# Altium PCB MiniPC.PcbDoc (part 11 of 22)
Units mm, origin at the board's own origin, x right, y up, seen from the top; angles counter-clockwise.
Board outline 175 x 155 mm, 16 copper layers (1_Top, 2_int1_(gnd), 3_int2_(power), 4_int3_(gnd), 5_int4_(sign), 6_int5_(power), 7_int6_(sign), 8_int7_(power), 9_int8_(gnd), 10_int9_(sign), 11_int10_(gnd), 12_int11_(sign), 13_int12_(gnd), 14_int13_(power), 15_int14_(gnd), 16_Bottom), stack 2.008 mm thick; 1046 components, 837 nets, 6010 pads, 3950 vias.
Unrouted connection lines stored in the file: 585.
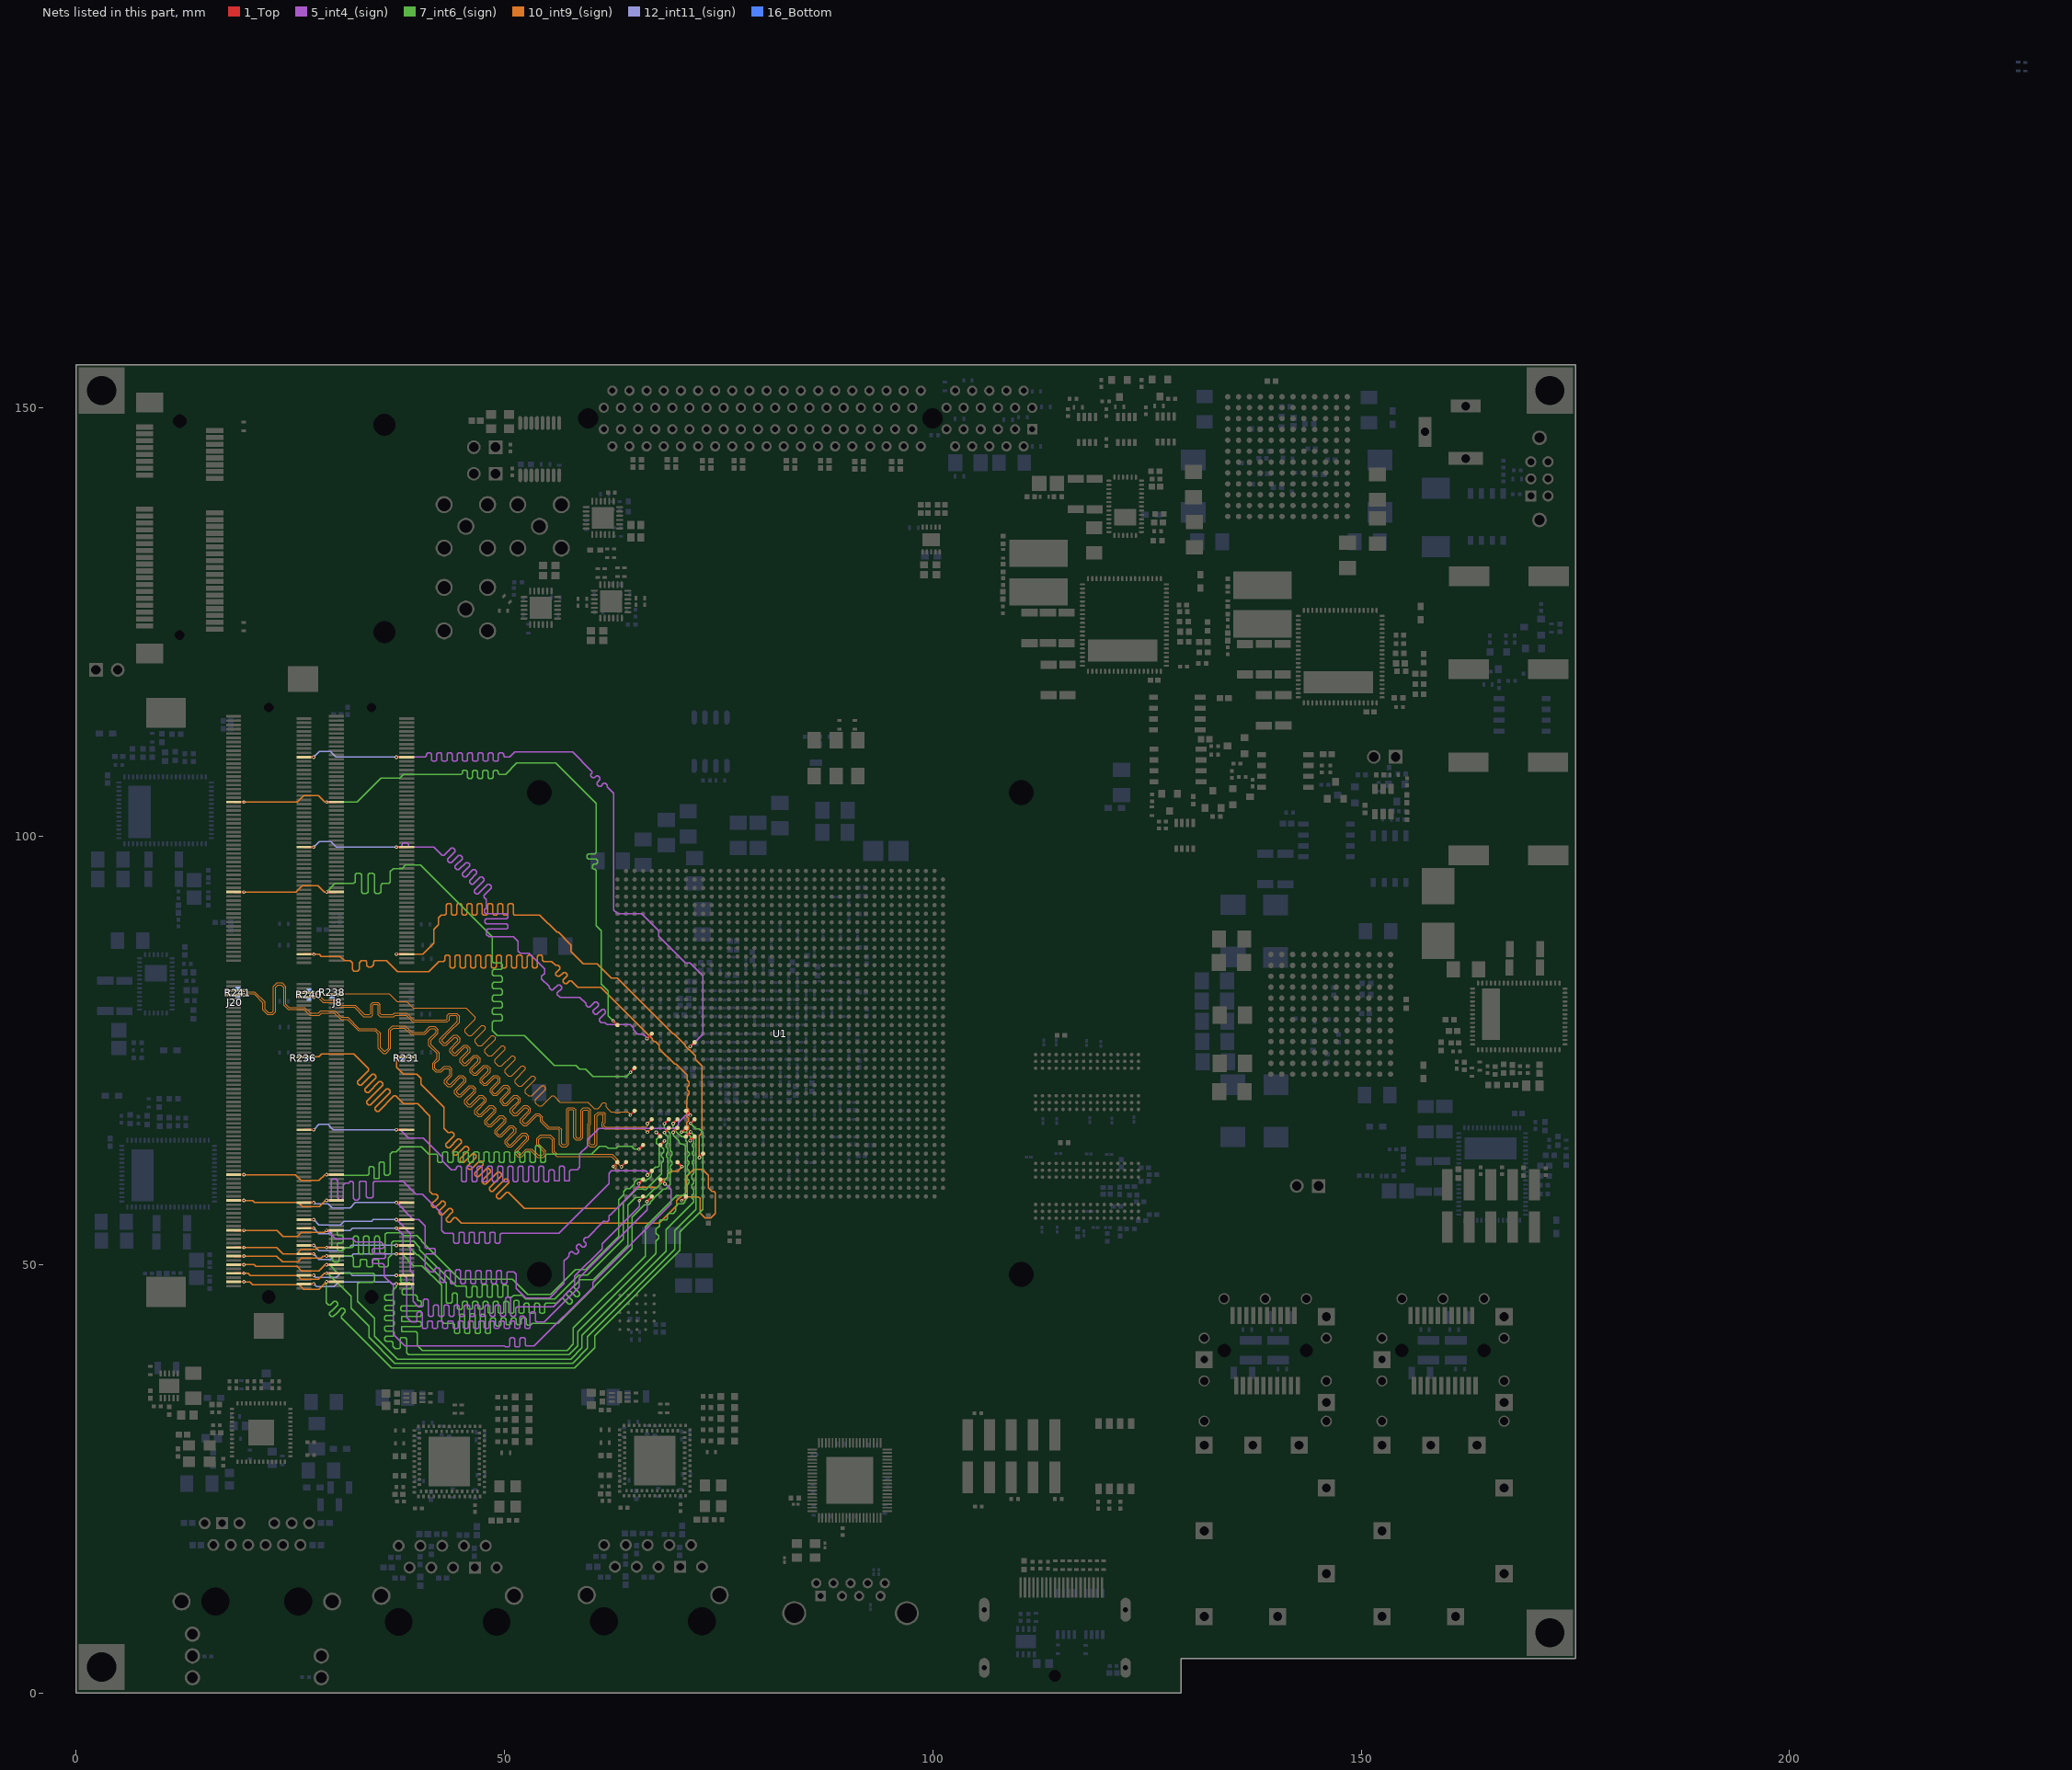
[diagram p25: the nets of this part, all layers, seen from the top]

## Via types
v1: diameter 0.4, hole 0.2, 1_Top to 16_Bottom, tented both sides, 1651 vias
v2: diameter 0.5, hole 0.2, 1_Top to 16_Bottom, tented both sides, 983 vias
v3: diameter 0.7, hole 0.3, 1_Top to 16_Bottom, tented both sides, 915 vias
v4: diameter 0.6, hole 0.2, 1_Top to 16_Bottom, tented both sides, 278 vias
v5: diameter 0.4, hole 0.2, 1_Top to 16_Bottom, 78 vias
v6: diameter 0.4/0/0/0/0/0/0/0/0/0/0/0/0/0/0/0.4 (per signal layer), hole 0.2, 1_Top to 16_Bottom, tented both sides, 18 vias
v7: diameter 0.5, hole 0.254, 1_Top to 16_Bottom, tented both sides, 15 vias
v8: diameter 0.4/0/0/0/0/0/0/0/0/0/0/0.4/0.4/0.4/0.4/0.4 (per signal layer), hole 0.2, 1_Top to 16_Bottom, tented both sides, 10 vias
v9: diameter 0.5, hole 0.2, 1_Top to 16_Bottom, 2 vias

## Nets (pads, with @x,y where several pads share a name; then routed paths per layer and width w, separated by ;. In a path a pad name is that pad's centre, name@x,y a point inside that pad or via, vN(x,y) a via of type N, cw(c..) or ccw(c..) an arc to the next point about the centre after c; other vN are vias at no path point) (continued)
DDR4_SODIMM_CK1_P: J8.138 R238.1 U1.AJ3 | length 74.5
  1_Top w0.15: v1(29.25,81.475) J8.138@30.4,81.475 ; v1(64.694,67.439) U1.AJ3@65.194,67.939
  10_int9_(sign) w0.13: v1(29.25,81.475) 29.393,81.618 36.558,81.618 37.49,80.685 38.575,80.685 39.335,79.925 45.5,79.925 46.586,78.839 46.586,78.645 45.402,77.461 45.402,77.068 45.765,76.704 46.158,76.704 47.343,77.888 47.537,77.888 47.76,77.665 47.76,77.471 46.575,76.287 46.575,75.894 46.939,75.53 47.332,75.53 48.516,76.715 48.71,76.715 48.934,76.491 48.934,76.297 47.749,75.113 47.749,74.72 48.113,74.356 48.506,74.356 49.69,75.541 49.884,75.541 50.107,75.318 50.107,75.124 48.923,73.939 48.923,73.546 49.287,73.183 49.68,73.183 50.864,74.367 51.058,74.367 51.281,74.144 51.281,73.95 50.097,72.765 50.097,72.373 50.461,72.009 50.853,72.009 52.038,73.193 52.232,73.193 52.455,72.97 52.455,72.776 51.271,71.592 51.271,71.199 51.634,70.835 52.027,70.835 53.212,72.019 53.406,72.019 53.629,71.796 53.629,71.602 52.444,70.418 52.444,70.025 52.808,69.661 53.201,69.661 54.385,70.846 54.579,70.846 54.803,70.622 54.803,70.428 53.618,69.244 53.618,68.851 53.982,68.487 54.375,68.487 55.559,69.672 55.753,69.672 56.475,68.95 56.502,68.923 56.647,68.923 56.674,68.95 59.761,68.95 60.501,68.209 60.934,68.209 61.275,68.551 61.275,68.661 61.499,68.885 61.751,68.885 61.885,68.751 61.885,68.391 62.075,68.201 62.451,67.825 62.85,67.825 62.975,67.7 63.425,67.7 63.545,67.82 63.926,67.82 63.931,67.825 64.4,67.825 64.694,67.531 v1(64.694,67.439)
  16_Bottom w0.15: v1(29.25,81.475) 29.751,81.475 R238.1@29.901,81.325
DDR4_SODIMM_CK2_N: J20.139 R240.2 U1.AK5 | length 103.1
  1_Top w0.15: J20.139@26.6,81.725 v1(27.75,81.725) ; v1(66.7,66.445) U1.AK5@67.194,66.939
  10_int9_(sign) w0.13: v1(27.75,81.725) 27.891,81.584 28.174,81.584 28.919,80.84 30.324,80.84 30.899,80.265 32.574,80.265 33.657,79.182 34.265,79.182 34.277,79.182 34.394,79.299 34.394,80.368 34.625,80.599 35.25,80.599 35.512,80.337 35.512,79.299 35.629,79.182 35.636,79.182 37,79.182 37.147,79.33 38.62,79.33 39.4,78.55 43.225,78.55 43.325,78.65 43.325,79.1 43.525,79.3 44.424,79.3 44.765,78.959 44.765,78.299 43.649,77.183 42.722,76.256 42.722,76.062 42.945,75.839 43.139,75.839 44.066,76.766 44.459,76.766 44.823,76.402 44.823,76.009 43.896,75.082 43.896,74.888 44.119,74.665 44.313,74.665 45.24,75.592 45.633,75.592 45.997,75.228 45.997,74.835 45.07,73.908 45.07,73.714 45.293,73.491 45.487,73.491 46.414,74.418 46.807,74.418 47.17,74.055 47.17,73.662 46.243,72.735 46.243,72.541 46.467,72.317 46.661,72.317 47.588,73.244 47.981,73.244 48.344,72.881 48.344,72.488 47.417,71.561 47.417,71.367 47.64,71.144 47.834,71.144 48.761,72.071 49.154,72.071 49.518,71.707 49.518,71.314 48.591,70.387 48.591,70.193 48.814,69.97 49.008,69.97 49.935,70.897 50.328,70.897 50.692,70.533 50.692,70.14 49.765,69.213 49.765,69.019 49.988,68.796 50.182,68.796 51.109,69.723 51.502,69.723 51.866,69.359 51.866,68.966 50.939,68.039 50.939,67.845 51.162,67.622 51.356,67.622 52.283,68.549 52.676,68.549 53.039,68.186 53.039,67.793 52.112,66.866 52.112,66.672 52.335,66.448 52.53,66.448 53.689,67.608 54.082,67.608 54.445,67.244 54.445,66.78 55.163,66.062 56.385,66.062 56.663,65.785 56.663,64.122 56.8,63.985 57.116,63.985 57.253,64.122 57.253,65.9 57.253,68.117 57.451,68.315 58.099,68.315 58.323,68.092 58.323,64.903 58.46,64.765 58.776,64.765 58.913,64.903 58.913,66.225 58.913,68.002 59.201,68.29 59.774,68.29 60.065,67.999 60.065,66.383 59.983,66.301 59.983,64.122 60.12,63.985 60.436,63.985 60.573,64.122 60.573,66.45 60.573,67.424 60.913,67.765 61.599,67.765 61.765,67.599 61.765,66.58 61.643,66.458 61.643,66.2 61.78,66.062 66.545,66.062 66.7,66.217 v1(66.7,66.445)
  16_Bottom w0.15: R240.2@27.2,81.925 27.55,81.925 v1(27.75,81.725)
DDR4_SODIMM_CK2_P: J20.137 R240.1 U1.AL5 | length 103
  1_Top w0.15: J20.137@26.6,81.225 26.625,81.25 26.671,81.204 v1(27.751,81.204) ; v1(66.694,65.439) U1.AL5@67.194,65.939
  10_int9_(sign) w0.13: v1(27.751,81.204) 27.892,81.344 28.075,81.344 28.819,80.6 30.225,80.6 30.8,80.025 32.475,80.025 33.558,78.942 34.441,78.942 34.634,79.135 34.634,80.269 34.725,80.359 35.151,80.359 35.272,80.238 35.272,79.155 35.485,78.942 37.099,78.942 37.247,79.09 38.521,79.09 39.301,78.31 43.324,78.31 43.565,78.551 43.565,78.91 43.715,79.06 44.325,79.06 44.525,78.86 44.525,78.398 42.482,76.355 42.482,75.963 42.846,75.599 43.239,75.599 44.166,76.526 44.36,76.526 44.583,76.303 44.583,76.109 43.656,75.182 43.656,74.789 44.019,74.425 44.412,74.425 45.339,75.352 45.534,75.352 45.757,75.129 45.757,74.935 44.83,74.008 44.83,73.615 45.193,73.251 45.586,73.251 46.513,74.178 46.707,74.178 46.93,73.955 46.93,73.761 46.003,72.834 46.003,72.441 46.367,72.077 46.76,72.077 47.687,73.004 47.881,73.004 48.104,72.781 48.104,72.587 47.177,71.66 47.177,71.267 47.541,70.904 47.934,70.904 48.861,71.831 49.055,71.831 49.278,71.608 49.278,71.413 48.351,70.486 48.351,70.094 48.715,69.73 49.108,69.73 50.035,70.657 50.229,70.657 50.452,70.434 50.452,70.24 49.525,69.313 49.525,68.92 49.888,68.556 50.281,68.556 51.208,69.483 51.402,69.483 51.626,69.26 51.626,69.066 50.699,68.139 50.699,67.746 51.062,67.382 51.455,67.382 52.382,68.309 52.576,68.309 52.799,68.086 52.799,67.892 51.872,66.965 51.872,66.572 52.236,66.208 52.629,66.208 53.788,67.368 53.982,67.368 54.205,67.144 54.205,66.68 55.063,65.822 56.286,65.822 56.423,65.685 56.423,64.023 56.701,63.745 57.215,63.745 57.493,64.023 57.493,65.9 57.493,68.018 57.55,68.075 58,68.075 58.083,67.992 58.083,64.803 58.361,64.525 58.875,64.525 59.153,64.803 59.153,66.225 59.153,67.903 59.3,68.05 59.675,68.05 59.825,67.9 59.825,66.482 59.743,66.4 59.743,64.023 60.021,63.745 60.535,63.745 60.813,64.023 60.813,66.45 60.813,67.325 61.013,67.525 61.5,67.525 61.525,67.5 61.525,66.68 61.403,66.558 61.403,66.1 61.681,65.822 66.311,65.822 v1(66.694,65.439)
  16_Bottom w0.15: R240.1@27.2,81.075 27.329,81.204 v1(27.751,81.204)
DDR4_SODIMM_CK3_N: J20.140 R241.2 U1.AR2 | length 103.1
  1_Top w0.15: J20.140@18.4,81.975 v1(19.602,81.975) ; v1(63.65,61.4) 63.655,61.4 U1.AR2@64.194,61.939
  10_int9_(sign) w0.13: v1(19.602,81.975) 19.765,81.975 19.9,81.84 20.86,81.84 22.05,80.65 22.05,79.8 22.425,79.425 22.885,79.425 23.06,79.6 23.06,82.449 23.476,82.865 24.06,82.865 24.5,82.425 24.5,80.375 24.875,80 26.7,80 27.361,79.339 28.314,79.339 28.585,79.61 30.229,79.61 30.999,78.84 31.749,78.84 33.045,77.545 34.974,77.545 35.525,76.994 35.525,75.3 35.95,74.875 36.086,74.875 36.504,75.294 36.504,77.404 36.94,77.84 38.449,77.84 39.174,77.115 40.626,77.115 41.276,77.765 41.899,77.765 42.258,77.407 42.258,76.983 41.439,76.164 41.439,75.65 42.39,74.699 42.39,73.94 41.875,73.425 41.875,72.925 42.1,72.7 42.511,72.7 42.926,73.115 43.574,73.115 43.875,72.814 43.875,72.05 43.425,71.6 43.425,71.589 43.264,71.428 43.264,71.234 43.487,71.011 43.681,71.011 44.739,72.068 45.132,72.068 45.495,71.705 45.495,71.312 44.438,70.254 44.438,70.06 44.661,69.837 44.855,69.837 45.913,70.894 46.306,70.894 46.669,70.531 46.669,70.138 45.612,69.08 45.612,68.886 45.835,68.663 46.029,68.663 47.086,69.721 47.479,69.721 47.843,69.357 47.843,68.964 46.786,67.907 46.786,67.713 47.009,67.489 47.203,67.489 48.26,68.547 48.653,68.547 49.017,68.183 49.017,67.79 47.959,66.733 47.959,66.539 48.182,66.316 48.377,66.316 49.434,67.373 49.827,67.373 50.191,67.009 50.191,66.616 49.133,65.559 49.133,65.365 49.356,65.142 49.55,65.142 50.608,66.199 51.001,66.199 51.364,65.836 51.364,65.443 50.307,64.385 50.307,64.191 50.53,63.968 50.724,63.968 52.085,65.328 52.477,65.328 52.841,64.965 52.841,64.572 51.481,63.211 51.481,63.017 51.704,62.794 51.898,62.794 52.576,63.472 53.203,63.472 53.925,62.75 54.45,62.75 54.575,62.875 54.575,63.136 53.778,63.932 53.778,64.674 54.219,65.115 55.349,65.115 55.84,64.624 55.84,63.2 56.175,62.865 62.574,62.865 63.315,62.124 63.315,61.675 63.59,61.4 v1(63.65,61.4)
  16_Bottom w0.15: R241.2@18.9,82.125 19.05,81.975 v1(19.602,81.975)
DDR4_SODIMM_CK3_P: J20.138 R241.1 U1.AR1 | length 103.2
  1_Top w0.15: J20.138@18.4,81.475 v1(19.602,81.475) ; v1(62.7,61.425) 62.7,61.445 U1.AR1@63.194,61.939
  10_int9_(sign) w0.13: v1(19.602,81.475) 19.727,81.6 20.761,81.6 21.81,80.551 21.81,79.701 22.326,79.185 22.984,79.185 23.3,79.501 23.3,82.35 23.575,82.625 23.961,82.625 24.26,82.326 24.26,80.276 24.776,79.76 26.601,79.76 27.262,79.099 28.413,79.099 28.684,79.37 30.13,79.37 30.9,78.6 31.65,78.6 32.945,77.305 34.875,77.305 35.285,76.895 35.285,75.201 35.851,74.635 36.185,74.635 36.744,75.194 36.744,77.305 37.039,77.6 38.35,77.6 39.075,76.875 40.725,76.875 41.375,77.525 41.8,77.525 42.018,77.307 42.018,77.082 41.199,76.264 41.199,75.551 42.15,74.6 42.15,74.039 41.635,73.524 41.635,72.826 42.001,72.46 42.61,72.46 43.025,72.875 43.475,72.875 43.635,72.715 43.635,72.149 43.185,71.699 43.185,71.688 43.024,71.527 43.024,71.134 43.388,70.771 43.781,70.771 44.838,71.828 45.032,71.828 45.255,71.605 45.255,71.411 44.198,70.354 44.198,69.961 44.562,69.597 44.955,69.597 46.012,70.654 46.206,70.654 46.429,70.431 46.429,70.237 45.372,69.18 45.372,68.787 45.735,68.423 46.128,68.423 47.186,69.481 47.38,69.481 47.603,69.258 47.603,69.063 46.546,68.006 46.546,67.613 46.909,67.249 47.302,67.249 48.36,68.307 48.554,68.307 48.777,68.084 48.777,67.89 47.719,66.832 47.719,66.439 48.083,66.076 48.476,66.076 49.533,67.133 49.727,67.133 49.951,66.91 49.951,66.716 48.893,65.658 48.893,65.265 49.257,64.902 49.65,64.902 50.707,65.959 50.901,65.959 51.124,65.736 51.124,65.542 50.067,64.485 50.067,64.092 50.431,63.728 50.824,63.728 52.184,65.088 52.378,65.088 52.601,64.865 52.601,64.671 51.241,63.311 51.241,62.918 51.604,62.554 51.997,62.554 52.675,63.232 53.104,63.232 53.826,62.51 54.549,62.51 54.815,62.776 54.815,63.235 54.018,64.032 54.018,64.575 54.318,64.875 55.25,64.875 55.6,64.525 55.6,63.101 56.076,62.625 62.475,62.625 63.075,62.025 63.075,61.25 62.95,61.125 62.7,61.375 v1(62.7,61.425)
  16_Bottom w0.15: R241.1@18.9,81.275 19.1,81.475 v1(19.602,81.475)
DDR4_SODIMM_CKE0: J8.109 R231.2 U1.AR8 | length 75.3
  1_Top w0.25: v1(37.398,74.225) J8.109@38.6,74.225 ; U1.AR8@70.194,61.939 70.708,61.425 v1(70.725,61.425)
  10_int9_(sign) w0.15: v1(37.398,74.225) 37.398,73.002 38.2,72.2 39.805,72.2 40.265,71.74 40.265,71.035 42.965,68.335 42.965,65.885 43.444,65.406 43.656,65.406 43.716,65.467 43.929,65.467 44.141,65.255 44.141,65.043 43.143,64.045 43.143,63.833 43.355,63.621 43.567,63.621 44.565,64.619 44.777,64.619 44.989,64.407 44.989,64.194 44.822,64.028 43.991,63.196 43.991,62.984 44.203,62.772 44.415,62.772 45.247,63.603 45.414,63.77 45.626,63.77 45.838,63.558 45.838,63.346 45.671,63.179 44.84,62.348 44.84,62.136 45.052,61.923 45.264,61.923 46.262,62.922 46.474,62.922 46.686,62.709 46.686,62.497 46.519,62.331 45.688,61.499 45.688,61.287 45.9,61.075 46.112,61.075 46.944,61.906 47.111,62.073 47.323,62.073 47.535,61.861 47.535,61.649 47.368,61.482 46.537,60.651 46.537,60.439 46.749,60.226 46.961,60.226 47.959,61.225 48.171,61.225 48.383,61.012 48.383,60.8 48.217,60.633 47.385,59.802 47.385,59.59 47.597,59.378 47.809,59.378 48.641,60.209 49.224,60.793 49.436,60.793 49.648,60.58 49.648,60.368 49.065,59.785 48.234,58.954 48.234,58.741 48.446,58.529 48.658,58.529 50.106,59.977 50.318,59.977 50.53,59.765 50.53,59.553 49.914,58.936 49.082,58.105 49.082,57.893 49.294,57.681 49.507,57.681 50.232,58.406 50.444,58.406 52.325,56.525 63.125,56.525 65.1,58.5 65.1,58.6 65.525,59.025 67.855,59.025 68.125,59.295 68.125,59.6 68.525,60 68.855,60 69.075,60.22 69.075,60.55 69.425,60.9 70.2,60.9 v1(70.725,61.425)
  16_Bottom w0.25: v1(37.398,74.225) 37.523,74.1 R231.2@38.175,74.1
DDR4_SODIMM_CKE1: J20.109 R236.2 U1.AW9 | length 103.2
  1_Top w0.25: J20.109@26.6,74.225 v1(27.75,74.225) ; v1(70.694,57.439) U1.AW9@71.194,57.939
  10_int9_(sign) w0.15: v1(27.75,74.225) 28.325,74.225 28.65,74.55 32.425,74.55 34.131,72.844 34.131,72.632 32.846,71.347 32.846,71.135 33.058,70.923 33.271,70.923 34.555,72.208 34.767,72.208 34.98,71.995 34.98,71.783 33.695,70.498 33.695,70.286 33.907,70.074 34.119,70.074 35.404,71.359 35.616,71.359 35.828,71.147 35.828,70.935 33.956,69.062 33.956,68.85 34.168,68.638 34.38,68.638 36.252,70.51 36.465,70.51 36.677,70.298 36.677,70.086 34.881,68.291 34.881,68.079 35.093,67.866 35.305,67.866 37.101,69.662 37.313,69.662 38.225,68.75 39.9,68.75 41.3,67.35 41.3,58.5 41.594,58.206 41.806,58.206 41.826,58.227 42.038,58.227 42.25,58.015 42.25,57.802 42.124,57.676 41.523,57.075 41.523,56.863 41.735,56.651 41.947,56.651 42.548,57.252 42.674,57.378 42.887,57.378 43.099,57.166 43.099,56.954 42.972,56.828 42.371,56.227 42.371,56.014 42.584,55.802 42.796,55.802 43.397,56.403 43.523,56.53 43.735,56.53 43.947,56.317 43.947,56.105 43.821,55.979 43.22,55.378 43.22,55.166 43.432,54.954 43.644,54.954 44.139,55.449 44.351,55.449 44.98,54.82 68.074,54.82 70.125,56.87 70.125,57.45 70.739,58.064 70.849,58.064 71.3,58.515 71.3,60.3 72.075,61.075 73.125,61.075 73.8,60.4 73.8,58.95 74.225,58.525 74.45,58.525 74.625,58.35 74.625,55.925 74.1,55.4 73.45,55.4 72.85,56 72.85,57.7 72.65,57.9 71.155,57.9 v1(70.694,57.439)
  16_Bottom w0.25: R236.2@26.95,74.1 27.625,74.1 v1(27.75,74.225)
DDR4_SODIMM_CS0: J8.149 U1.AP11 | length 75.4
  1_Top w0.25: v1(37.398,86.225) J8.149@38.6,86.225 ; v1(72.75,62.473) 72.75,62.496 U1.AP11@73.194,62.939
  10_int9_(sign) w0.15: v1(37.398,86.225) 40.492,86.225 41.771,87.504 41.771,89.096 42.325,89.65 42.325,90.475 42.65,90.8 43.075,90.8 43.225,90.95 43.225,91.944 43.375,92.094 43.675,92.094 43.825,91.944 43.825,90.95 43.975,90.8 44.275,90.8 44.425,90.95 44.425,91.944 44.575,92.094 44.875,92.094 45.025,91.944 45.025,90.95 45.175,90.8 45.475,90.8 45.625,90.95 45.625,91.944 45.775,92.094 46.075,92.094 46.225,91.944 46.225,90.95 46.375,90.8 46.675,90.8 46.825,90.95 46.825,91.944 46.975,92.094 47.275,92.094 47.425,91.944 47.425,90.95 47.575,90.8 47.875,90.8 48.025,90.95 48.025,91.944 48.175,92.094 48.475,92.094 48.625,91.944 48.625,90.95 48.775,90.8 49.075,90.8 49.225,90.95 49.225,91.944 49.375,92.094 49.675,92.094 49.825,91.944 49.825,90.95 49.975,90.8 50.275,90.8 50.425,90.95 50.425,91.944 50.575,92.094 50.875,92.094 51.025,91.944 51.025,90.95 51.175,90.8 54.125,90.8 56.155,88.77 56.305,88.77 57.775,87.3 57.775,86.524 59.199,85.1 60.8,85.1 62.475,83.425 63.178,83.425 69.664,76.939 69.791,76.939 71.125,75.605 71.125,75.478 71.539,75.064 71.599,75.064 72.319,74.345 72.319,73.929 73.075,73.173 73.075,72.584 73.054,72.562 73.054,72.045 73.075,72.023 73.075,70.704 73.069,70.698 73.069,69.643 73.079,69.634 73.079,68.273 73.075,68.269 73.075,65.725 73,65.651 73,65.27 72.75,65.02 v1(72.75,62.473)
DDR4_SODIMM_CS1: J20.149 U1.AM10 | length 92.2
  1_Top w0.25: J20.149@26.6,86.225 26.625,86.25 26.671,86.204 v1(27.751,86.204) ; v1(71.694,64.439) U1.AM10@72.194,64.939
  10_int9_(sign) w0.15: v1(27.751,86.204) 28.396,86.204 28.625,85.975 30.825,85.975 31.35,85.45 31.975,85.45 32.25,85.175 32.25,84.45 32.45,84.25 32.85,84.25 33.05,84.45 33.05,85.2 33.3,85.45 33.8,85.45 33.95,85.3 33.95,84.9 34.125,84.725 34.475,84.725 34.725,84.975 34.725,85.325 34.85,85.45 36.25,85.45 37.525,84.175 41.175,84.175 42.375,85.375 42.9,85.375 43.05,85.525 43.05,85.975 43.2,86.125 43.5,86.125 43.65,85.975 43.65,84.775 43.8,84.625 44.1,84.625 44.25,84.775 44.25,85.975 44.4,86.125 44.7,86.125 44.85,85.975 44.85,84.775 45,84.625 45.3,84.625 45.45,84.775 45.45,85.975 45.6,86.125 45.9,86.125 46.05,85.975 46.05,84.775 46.2,84.625 46.5,84.625 46.65,84.775 46.65,85.975 46.8,86.125 47.1,86.125 47.25,85.975 47.25,84.775 47.4,84.625 47.7,84.625 47.85,84.775 47.85,85.975 48,86.125 48.3,86.125 48.45,85.975 48.45,84.775 48.6,84.625 48.9,84.625 49.05,84.775 49.05,85.975 49.2,86.125 49.5,86.125 49.65,85.975 49.65,84.775 49.8,84.625 50.1,84.625 50.25,84.775 50.25,85.975 50.4,86.125 50.7,86.125 50.85,85.975 50.85,84.775 51,84.625 51.3,84.625 51.45,84.775 51.45,85.975 51.6,86.125 51.9,86.125 52.05,85.975 52.05,84.775 52.2,84.625 52.5,84.625 52.65,84.775 52.65,85.975 52.8,86.125 53.1,86.125 53.25,85.975 53.25,84.775 53.4,84.625 53.7,84.625 53.85,84.775 53.85,85.975 54,86.125 54.3,86.125 54.45,85.975 54.45,85.525 54.6,85.375 55.525,85.375 55.979,84.921 56.045,84.921 56.257,84.921 56.469,84.709 56.469,84.496 56.436,84.464 56.012,84.039 56.012,83.827 56.224,83.615 56.436,83.615 56.861,84.039 56.893,84.072 57.106,84.072 57.318,83.86 57.318,83.648 57.285,83.615 56.861,83.191 56.861,82.979 57.073,82.767 57.285,82.767 57.603,83.085 57.815,83.085 58.56,82.34 61.265,82.34 67.25,76.355 67.25,76.245 67.47,76.025 67.655,76.025 68.075,75.605 68.075,75.175 69.865,73.385 70.04,73.385 71.319,72.106 71.319,71.506 71.55,71.275 71.55,70.931 71.319,70.7 71.319,70.381 71.55,70.15 71.55,69.881 71.319,69.65 71.319,69.269 71.3,69.25 71.3,68.275 71.475,68.1 71.475,67.8 71.3,67.625 71.3,67.25 71.478,67.072 71.478,66.753 71.35,66.626 ; 71.35,66.625 71.3,66.575 71.3,66.225 71.375,66.225 71.5,66.1 71.5,65.798 71.302,65.6 71.302,65.367 71.694,64.976 v1(71.694,64.439)
DDR4_SODIMM_DM0: J8.12 J20.12 U1.AL9 | length 87.5
  1_Top w0.25: J20.12@18.4,49.975 v1(19.602,49.975) ; v1(29.25,49.975) J8.12@30.4,49.975 ; v1(70.677,65.45) 70.705,65.45 U1.AL9@71.194,65.939
  7_int6_(sign) w0.15: v1(29.25,49.975) 29.575,49.975 30.575,48.975 34.7,48.975 34.85,48.825 34.85,48.125 34.65,47.925 33.075,47.925 32.875,47.725 32.875,45.7 34.85,43.725 34.85,41.629 37.524,38.955 57.744,38.955 59.07,40.281 59.07,41.745 68.875,51.55 68.875,54.05 72.104,57.279 72.104,57.55 72.1,57.55 71.875,57.775 71.875,58.021 72.104,58.25 72.104,58.721 71.875,58.95 71.875,59.271 72.104,59.5 72.104,59.8 71.875,60.029 71.875,60.4 72.075,60.6 72.104,60.6 72.104,61.6 72.1,61.6 71.925,61.775 71.925,61.996 72.104,62.175 72.104,62.7 72.1,62.7 71.95,62.85 71.95,63.097 72.104,63.25 72.104,63.622 71.9,63.825 71.9,63.997 72.104,64.2 72.104,64.566 71.22,65.45 v1(70.677,65.45)
  10_int9_(sign) w0.15: v1(19.602,49.975) 20.77,49.975 20.982,49.763 25.812,49.763 26.325,49.25 28.35,49.25 29.075,49.975 v1(29.25,49.975)
DDR4_SODIMM_DM1: J8.33 J20.33 U1.AW4 | length 80.7
  1_Top w0.25: J20.33@26.6,55.225 v1(27.75,55.225) ; v1(37.398,55.225) J8.33@38.6,55.225 ; v1(65.75,57.45) 66.194,57.894 U1.AW4@66.194,57.939
  5_int4_(sign) w0.15: v1(37.398,55.225) 39.025,53.598 39.025,49.225 39.325,48.925 39.325,45.675 39.945,45.055 40.225,45.055 40.375,45.055 40.525,45.205 40.525,45.811 40.675,45.961 40.975,45.961 41.125,45.811 41.125,45.055 41.125,44.069 41.275,43.919 41.575,43.919 41.725,44.069 41.725,45.055 41.725,45.101 41.875,45.251 42.175,45.251 42.325,45.101 42.325,45.055 42.325,44.069 42.475,43.919 42.775,43.919 42.925,44.069 42.925,45.055 42.925,45.101 43.075,45.251 43.375,45.251 43.525,45.101 43.525,45.055 43.525,44.069 43.675,43.919 43.975,43.919 44.125,44.069 44.125,45.055 44.125,45.101 44.275,45.251 44.575,45.251 44.725,45.101 44.725,45.055 44.725,44.069 44.875,43.919 45.175,43.919 45.325,44.069 45.325,45.055 45.325,45.101 45.475,45.251 45.775,45.251 45.925,45.101 45.925,45.055 45.925,44.069 46.075,43.919 46.375,43.919 46.525,44.069 46.525,45.055 46.525,45.101 46.675,45.251 46.975,45.251 47.125,45.101 47.125,45.055 47.125,44.069 47.275,43.919 47.575,43.919 47.725,44.069 47.725,45.055 47.725,45.101 47.875,45.251 48.175,45.251 48.325,45.101 48.325,45.055 48.325,44.069 48.475,43.919 48.775,43.919 48.925,44.069 48.925,45.055 48.925,45.101 49.075,45.251 49.375,45.251 49.525,45.101 49.525,45.055 49.525,44.069 49.675,43.919 49.975,43.919 50.125,44.069 50.125,45.055 50.125,46.041 50.275,46.191 50.575,46.191 50.725,46.041 50.725,45.055 50.725,44.069 50.875,43.919 51.175,43.919 51.325,44.069 51.325,44.905 51.475,45.055 53.6,45.055 55.697,45.055 58.212,47.57 58.212,48.637 61.4,51.825 61.4,52.4 65.75,56.75 v1(65.75,57.45)